# Altium PCB Dashcam.PcbDoc (part 6 of 6)
Units mm, origin at the board's own origin, x right, y up, seen from the top; angles counter-clockwise.
Board outline 90.03 x 65.03 mm, 6 copper layers (TOP, L2_GND, L3_IN1, L4_POWER, L5_GND_2, BOTTOM), stack 1.128 mm thick; 287 components, 444 nets, 1760 pads, 0 vias.
Unrouted connection lines stored in the file: 908.
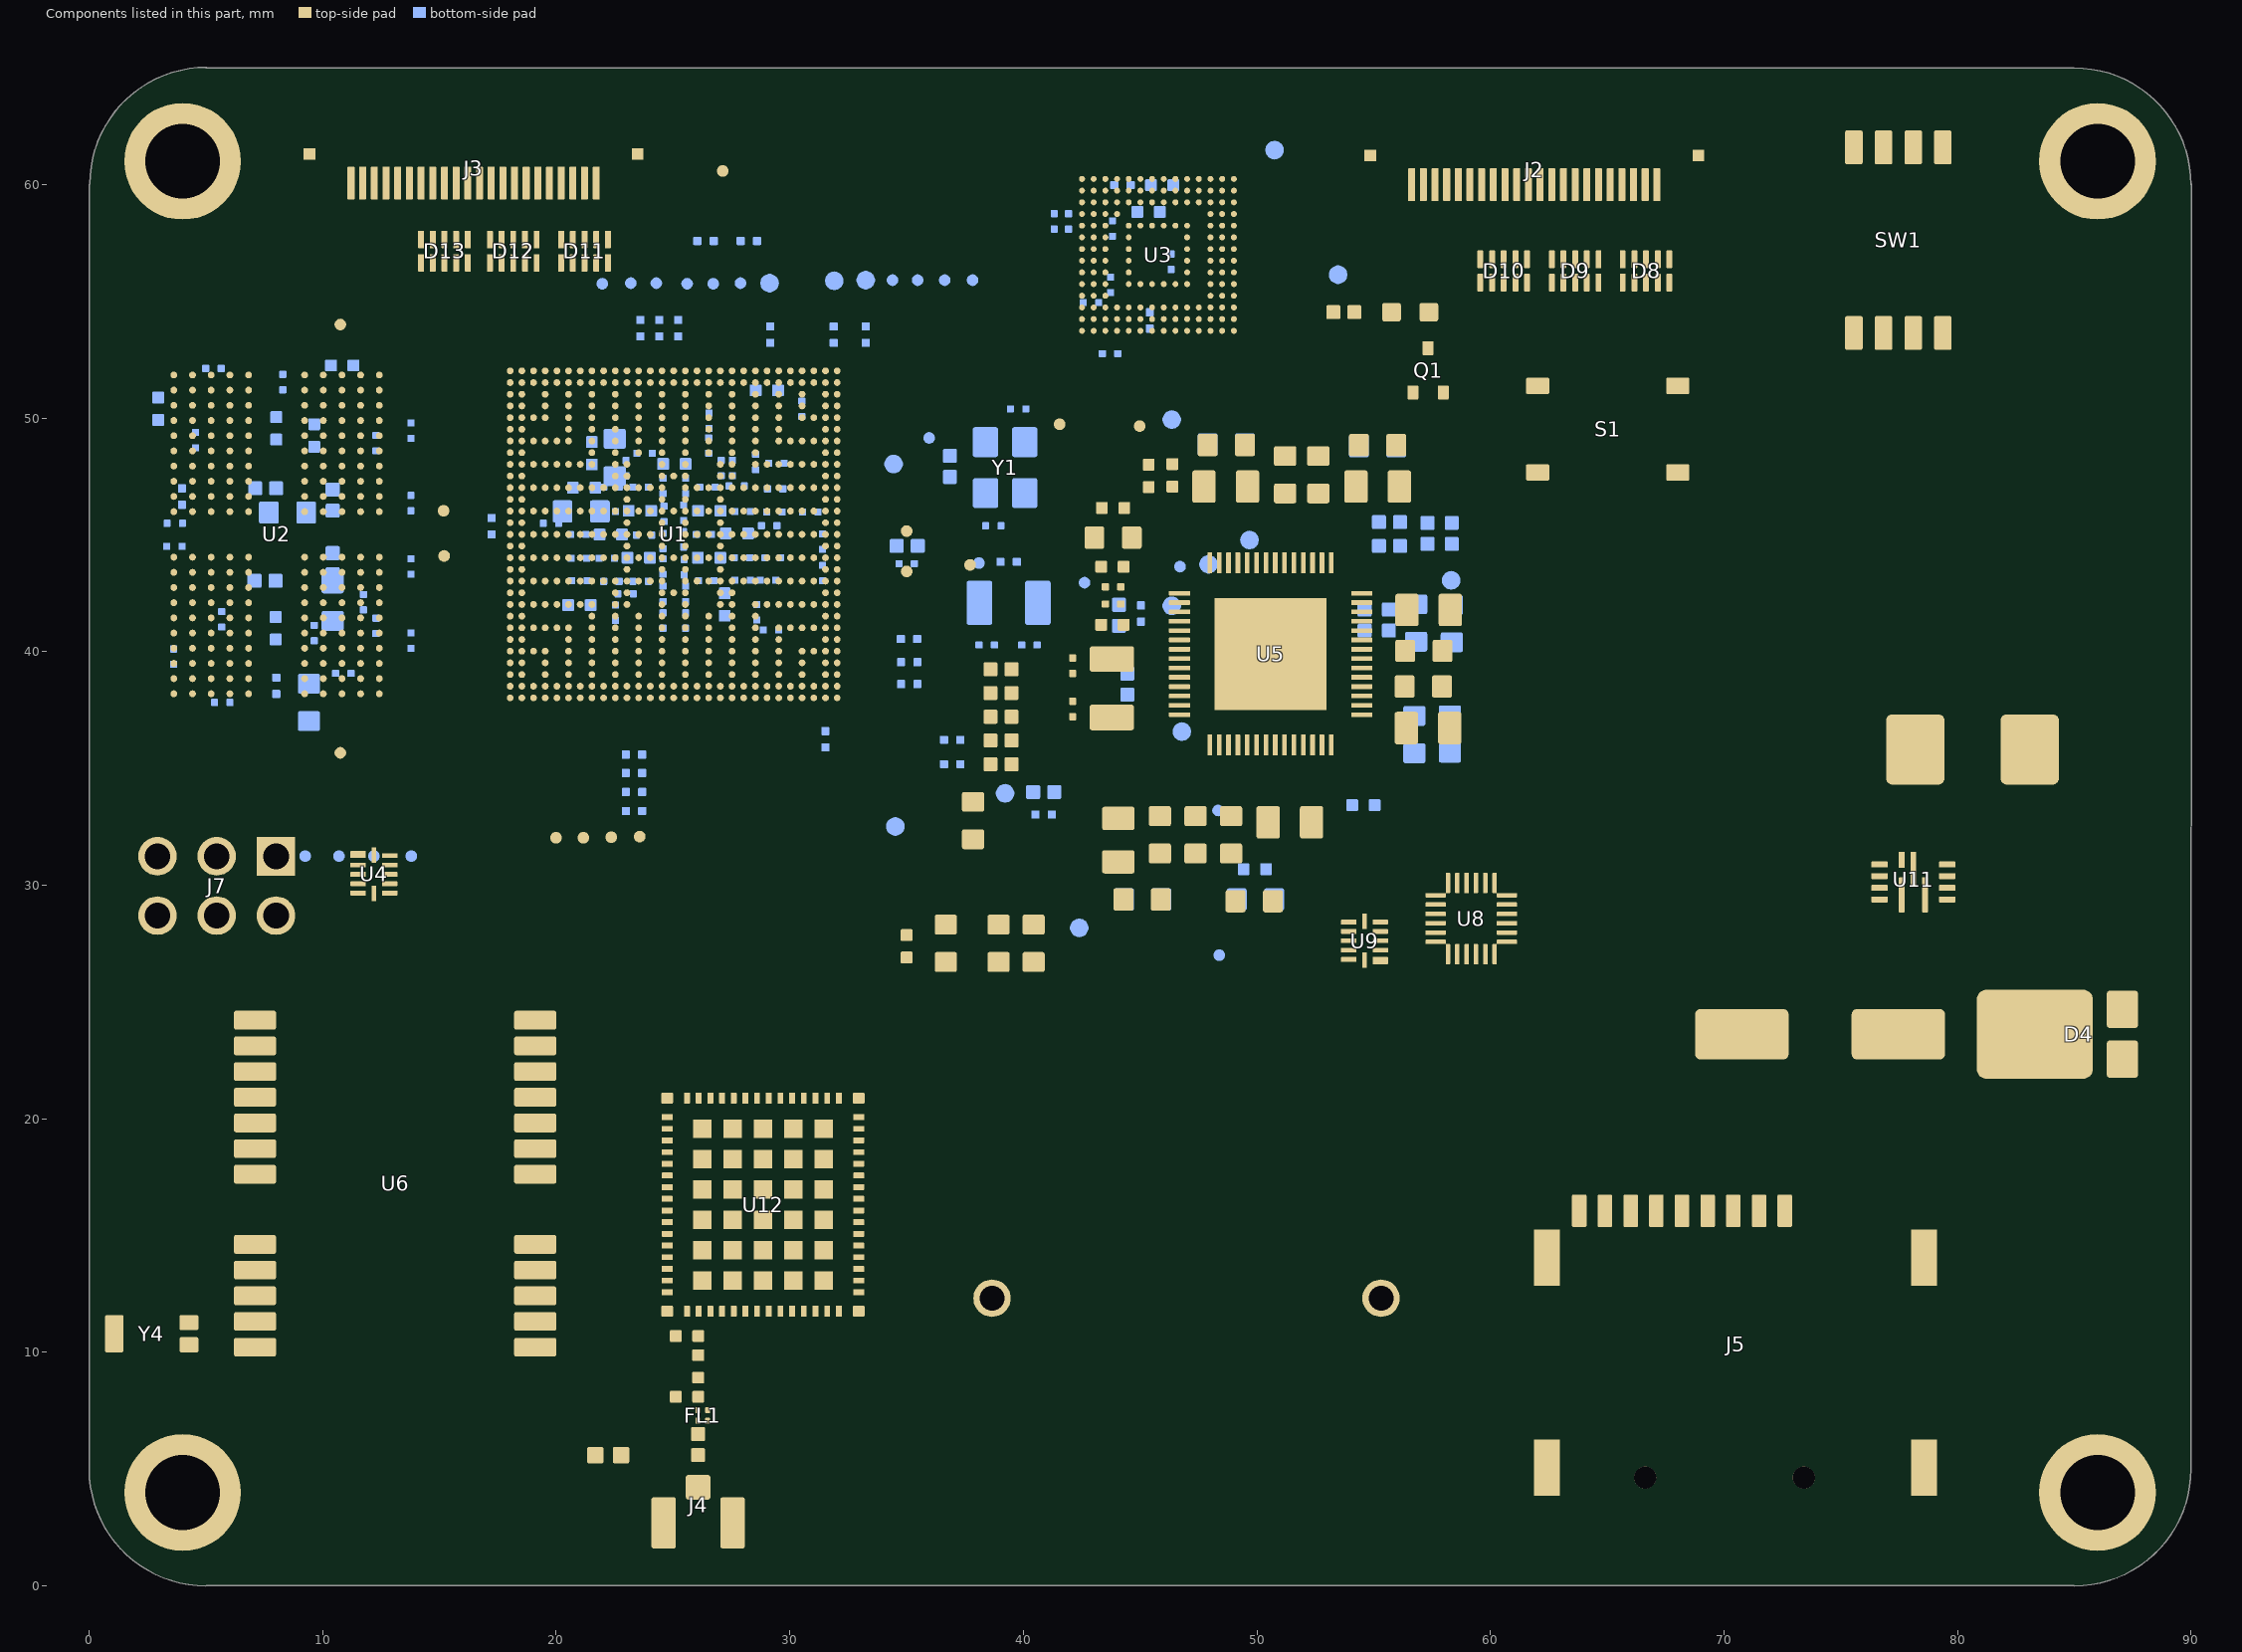
[diagram p10: the components of this part, seen from the top]

## Silkscreen, mask and mechanical layers (free items; w line width, h text height) (continued)
Bottom Overlay:
  lines w0.127: 4.177,57.82 4.177,52.969 18.299,52.969 ; 8.292,64.399 18.299,64.399 18.299,52.969 ; 19.264,49.565 20.153,49.565 ; 20.179,50.479 20.179,49.59 18.299,51.47 18.299,52.969
  lines w0.2: 0.028,30.025 ccw(c5.028,30.025) 5.028,25.025 55.028,25.025 ccw(c55.028,30.025) 60.028,30.025 60.028,60.025 ccw(c55.028,60.025) 55.028,65.025 5.028,65.025 ccw(c5.028,60.025) 0.028,60.025 0.028,30.025
  text "CONN B" at 23.5,57.65 h1
  text "CONN A" at 23.1,31.25 h1
Top solder:
  region: 0,65 0,55.7 2.4,58.1 5.6,58.1 7.1,59.6 7.1,62.5 9.1,64.5 9.1,65
  region: 0,0 9.3,0 6.9,2.4 6.9,5.6 5.4,7.1 2.5,7.1 0.5,9.1 0,9.1
  region: 90,0 90,9.3 87.6,6.9 84.4,6.9 82.9,5.4 82.9,2.5 80.9,0.5 80.9,0
  region: 90,65 80.7,65 83.1,62.6 83.1,59.4 84.6,57.9 87.5,57.9 89.5,55.9 90,55.9
  lines w0.8: 0.7,9.8 ccw(c3.15,9.65) 3,7.2 ; 0.7,55.6 cw(c3.15,55.45) 3.3,57.9 4.4,57.9 ; 3.2,7.2 4.8,7.2 ; 4.6,57.9 ccw(c4.75,60.35) 7.2,60.2 ; 4.9,7.2 cw(c4.75,4.75) 7.2,4.6 7.2,3.4 ; 7.2,3.3 ccw(c9.65,3.15) 9.5,0.7 ; 7.2,60.3 7.2,62.1 cw(c9.65,61.95) 9.8,64.4 ; 80.3,0.7 ccw(c80.45,3.15) 82.9,3 ; 80.6,64.4 cw(c80.45,61.95) 82.9,61.8 ; 82.9,3.2 82.9,4.6 ; 82.9,4.8 cw(c85.35,4.65) 85.5,7.1 ; 82.9,60.5 ccw(c85.35,60.35) 85.2,57.9 ; 82.9,60.6 82.9,61.7 ; 85.3,57.9 87,57.9 ; 85.6,7.1 86.7,7.1 ; 86.8,7.1 ccw(c86.95,9.55) 89.4,9.4 ; 87.1,57.9 cw(c86.95,55.45) 89.4,55.3
  lines w1.4: 0.75,8.5 0.75,56.25 ; 8,0.75 81.25,0.75 ; 8.25,64.25 81.25,64.25 ; 89.25,56.25 89.4,9.5
Bottom Solder:
  region: 0,65 0,55.7 2.4,58.1 5.6,58.1 7.1,59.6 7.1,62.5 9.1,64.5 9.1,65
  region: 90,65 80.7,65 83.1,62.6 83.1,59.4 84.6,57.9 87.5,57.9 89.5,55.9 90,55.9
  region: 90,0 90,9.3 87.6,6.9 84.4,6.9 82.9,5.4 82.9,2.5 80.9,0.5 80.9,0
  region: 0,0 9.3,0 6.9,2.4 6.9,5.6 5.4,7.1 2.5,7.1 0.5,9.1 0,9.1
  lines w0.8: 0.7,9.8 ccw(c3.15,9.65) 3,7.2 ; 0.7,55.6 cw(c3.15,55.45) 3.3,57.9 4.4,57.9 ; 3.2,7.2 4.8,7.2 ; 4.6,57.9 ccw(c4.75,60.35) 7.2,60.2 ; 4.9,7.2 cw(c4.75,4.75) 7.2,4.6 7.2,3.4 ; 7.2,3.3 ccw(c9.65,3.15) 9.5,0.7 ; 7.2,60.3 7.2,62.1 cw(c9.65,61.95) 9.8,64.4 ; 80.3,0.7 ccw(c80.45,3.15) 82.9,3 ; 80.6,64.4 cw(c80.45,61.95) 82.9,61.8 ; 82.9,3.2 82.9,4.6 ; 82.9,4.8 cw(c85.35,4.65) 85.5,7.1 ; 82.9,60.5 ccw(c85.35,60.35) 85.2,57.9 ; 82.9,60.6 82.9,61.7 ; 85.3,57.9 87,57.9 ; 85.6,7.1 86.7,7.1 ; 86.8,7.1 ccw(c86.95,9.55) 89.4,9.4 ; 87.1,57.9 cw(c86.95,55.45) 89.4,55.3
  lines w1.4: 0.699,56.5 0.75,7.25 ; 7.25,64.4 80.5,64.4 ; 8.5,0.7 81.25,0.7 ; 89.25,57.25 89.403,8.5
Board:
  lines w0.2: 0,60 0,5 ccw(c5,5) 5,0 ; 0.028,60.025 cw(c5.028,60.025) 5.028,65.025 ; 5,65 85,65 cw(c85,60) 90,60 ; 5.028,0.025 85,0.025 ; 85,0 ccw(c85,5) 90,5 ; 89.999,5 90.028,60.025

## Dimensions
0,25 to 85,65 on Drill Drawing
0.028,25.025 to -0.972,65.025 on Drill Drawing